# KiCad board vancouver-skytrain-pcb.kicad_pcb
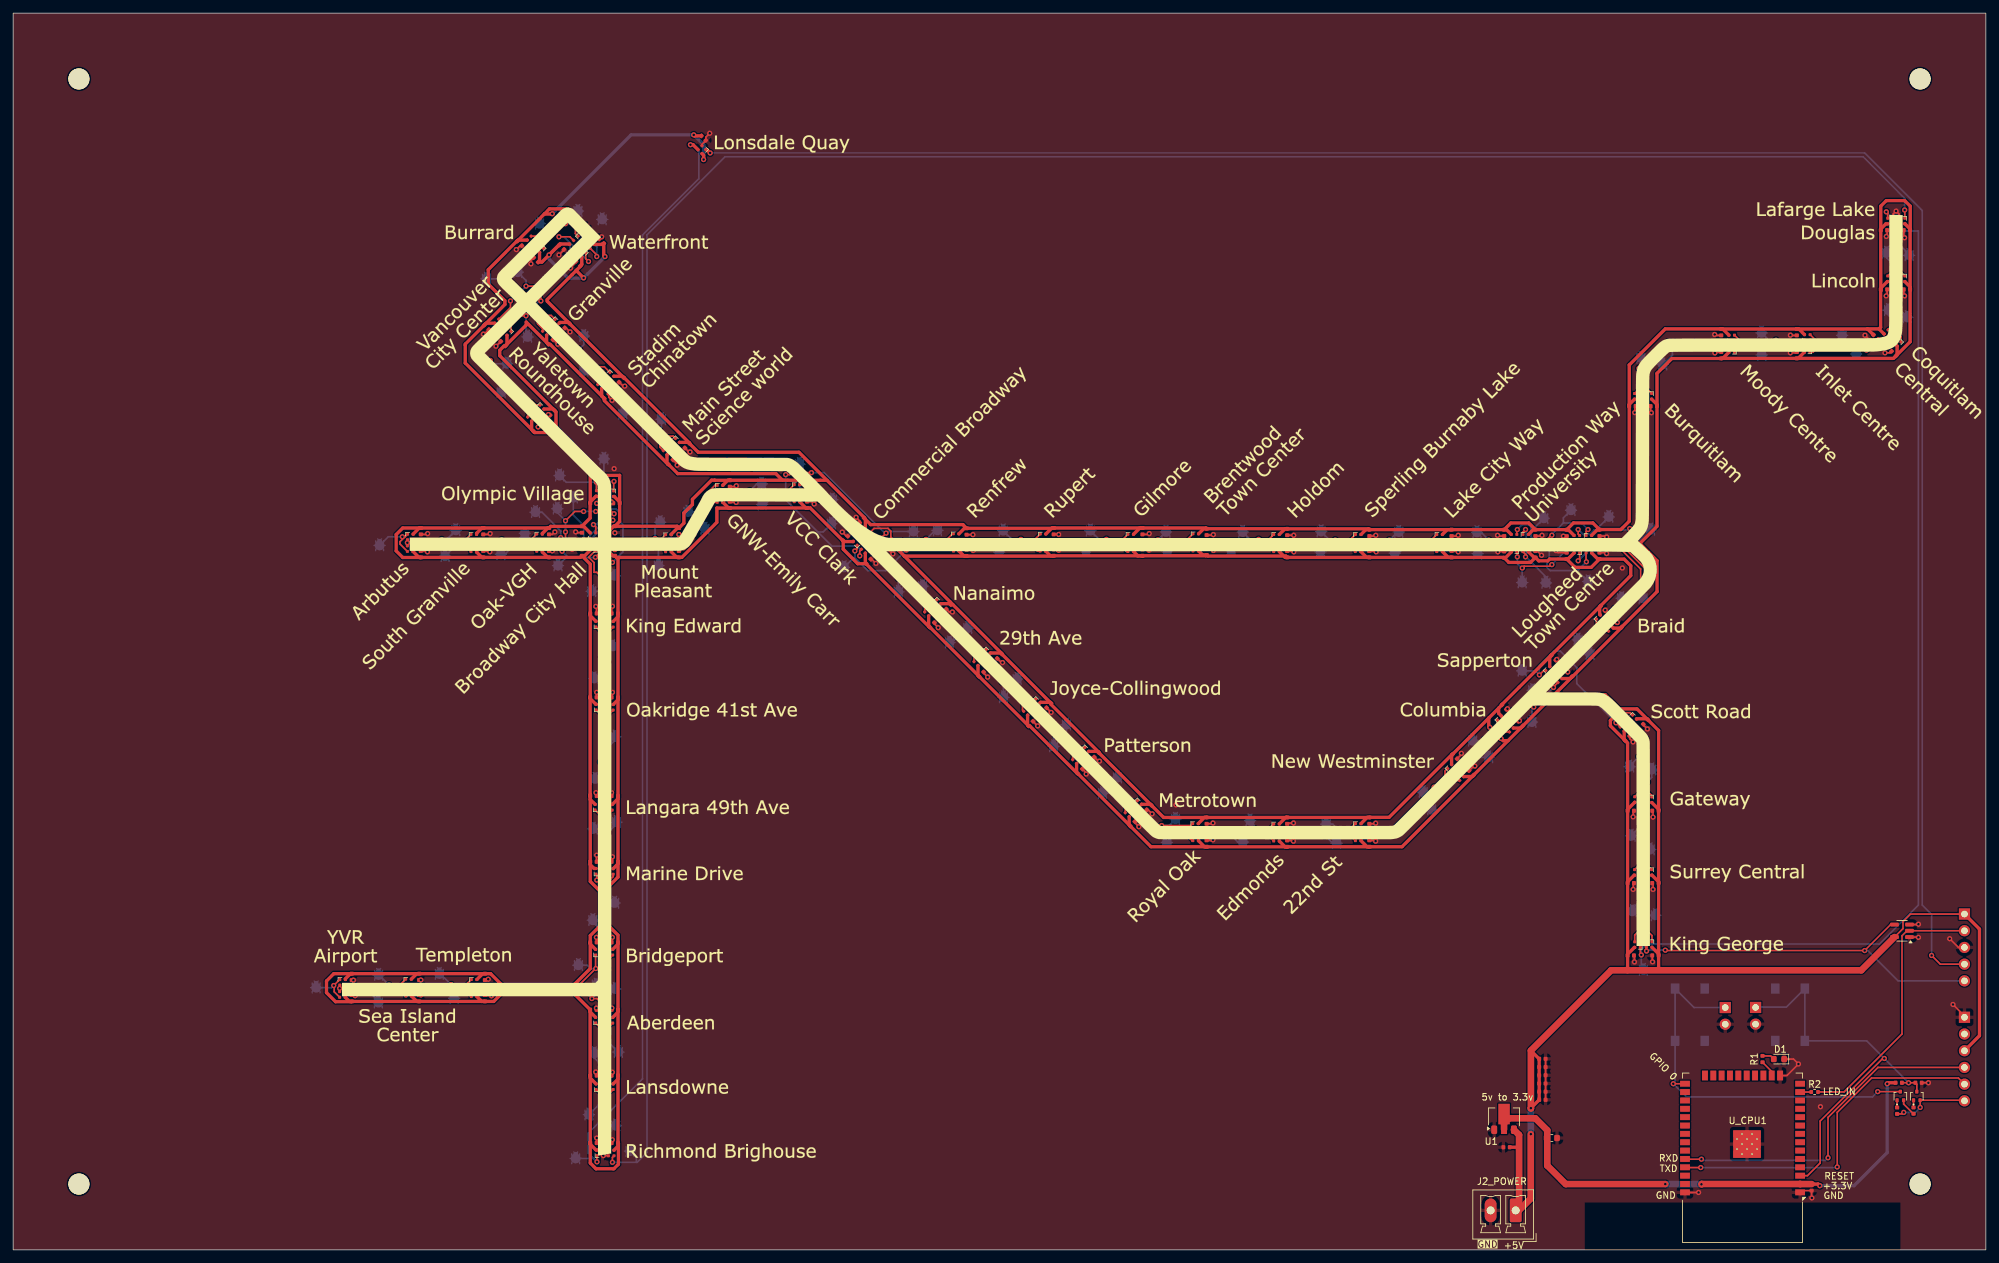
[diagram p0: board, top side]
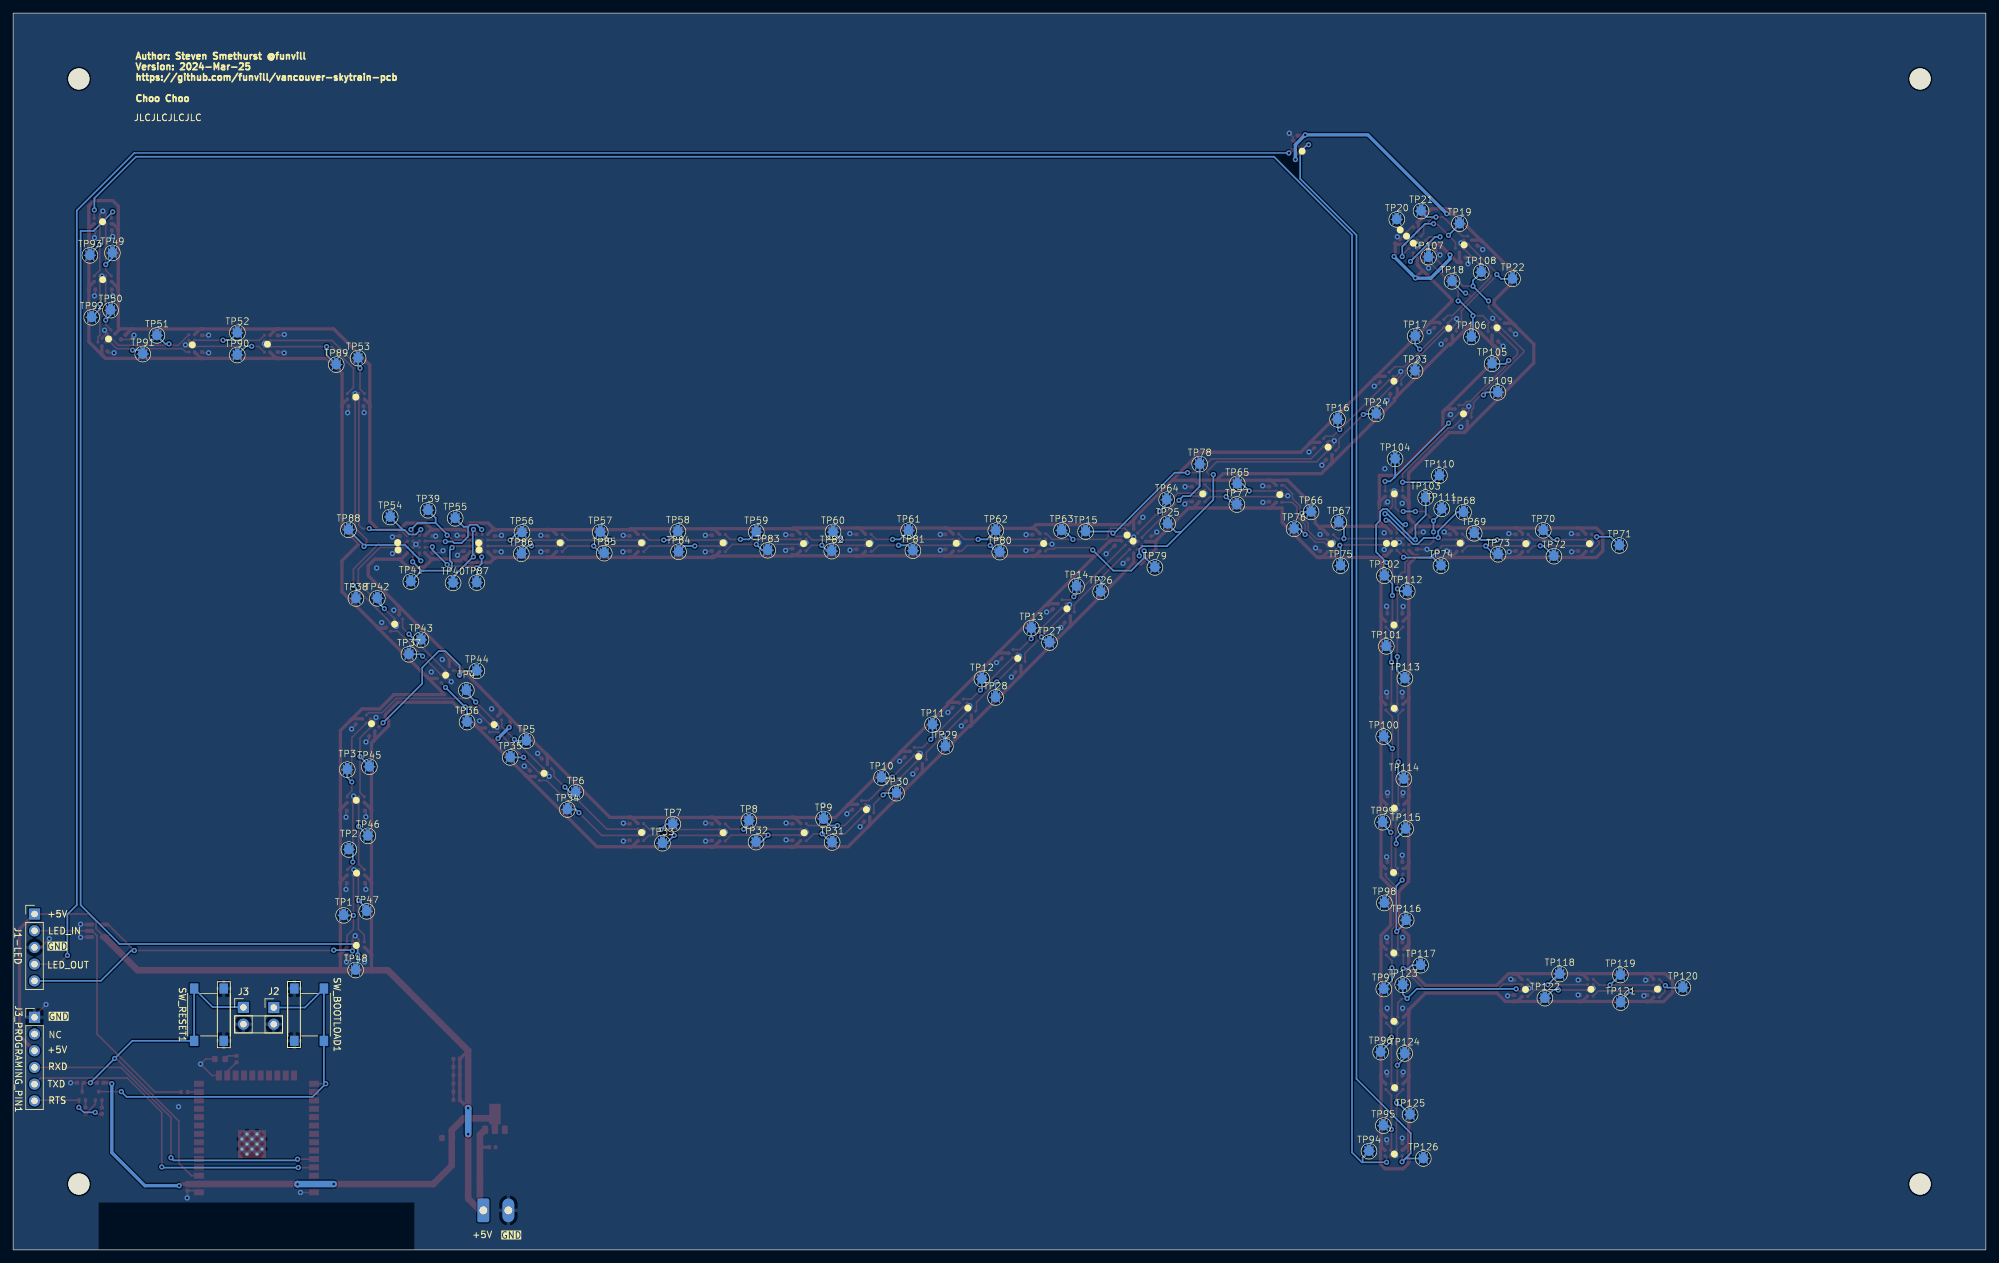
[diagram p1: board, bottom side, seen from below]

Outline 300 x 188 mm; copper layers: Top, Bottom. Coordinates in mm from the lower left corner of the outline.
Outline path: rectangle 0,188 300,0
Stack: Top 0.035mm / dielectric 1.51mm FR4 er 4.5 / Bottom 0.035mm

## Placement (name value [footprint] x y rotation side)
C1  1uF,25V,X5R  [C_0402_1005Metric]  227.12 15.6 180 top
C2  1uF,25V,X5R  [C_0402_1005Metric]  273.5 9.49 270 top
C3  10uF,10V,X5R  [C_0603_1608Metric]  234 17 0 top
C4  1uF,25V,X5R  [C_0402_1005Metric]  289.76 25.4 0 top
C5  1uF,25V,X5R  [C_0402_1005Metric]  105 169 315 top
C6  1uF,25V,X5R  [C_0402_1005Metric]  245.5 77.75 45 top
C7  1uF,25V,X5R  [C_0402_1005Metric]  226.75 82.5 315 top
C8  1uF,25V,X5R  [C_0402_1005Metric]  229.25 80 135 top
C9  1uF,25V,X5R  [C_0402_1005Metric]  221.75 72.5 135 top
C10  1uF,25V,X5R  [C_0402_1005Metric]  206.25 61.76 90 top
C11  1uF,25V,X5R  [C_0402_1005Metric]  193.75 65.25 270 top
C12  1uF,25V,X5R  [C_0402_1005Metric]  181.5 65.25 270 top
C13  1uF,25V,X5R  [C_0402_1005Metric]  172.75 67.25 225 top
C14  1uF,25V,X5R  [C_0402_1005Metric]  162.25 72.75 45 top
C15  1uF,25V,X5R  [C_0402_1005Metric]  147.25 87.5 45 top
C16  1uF,25V,X5R  [C_0402_1005Metric]  139.75 95 45 top
C17  1uF,25V,X5R  [C_0402_1005Metric]  142.25 97.75 225 top
C18  1uF,25V,X5R  [C_0402_1005Metric]  130.07 104.65 45 top
C19  1uF,25V,X5R  [C_0402_1005Metric]  126.57 108.15 45 top
C20  1uF,25V,X5R  [C_0402_1005Metric]  129.07 110.9 225 top
C21  1uF,25V,X5R  [C_0402_1005Metric]  132.82 107.4 225 top
C22  1uF,25V,X5R  [C_0402_1005Metric]  109 113.25 90 top
C23  1uF,25V,X5R  [C_0402_1005Metric]  102.5 122.25 225 top
C24  1uF,25V,X5R  [C_0402_1005Metric]  92.5 132.25 225 top
C25  1uF,25V,X5R  [C_0402_1005Metric]  84.25 140.5 225 top
C26  1uF,25V,X5R  [C_0402_1005Metric]  77 153 315 top
C27  1uF,25V,X5R  [C_0402_1005Metric]  83.43 152.43 315 top
C28  1uF,25V,X5R  [C_0402_1005Metric]  85.93 149.93 135 top
C29  1uF,25V,X5R  [C_0402_1005Metric]  89.48 153.33 135 top
C30  1uF,25V,X5R  [C_0402_1005Metric]  232.56 22.81 0 top
C31  1uF,25V,X5R  [C_0402_1005Metric]  86.75 155.83 315 top
C32  1uF,25V,X5R  [C_0402_1005Metric]  236.75 87.5 135 top
C33  1uF,25V,X5R  [C_0402_1005Metric]  234.25 90 315 top
C34  1uF,25V,X5R  [C_0402_1005Metric]  74.5 137.75 135 top
C35  1uF,25V,X5R  [C_0402_1005Metric]  91.75 113.5 180 top
C36  1uF,25V,X5R  [C_0402_1005Metric]  88.25 113.5 0 top
C37  1uF,25V,X5R  [C_0402_1005Metric]  79.5 124.75 45 top
C38  1uF,25V,X5R  [C_0402_1005Metric]  82 127.25 225 top
C39  1uF,25V,X5R  [C_0402_1005Metric]  72 140.25 315 top
C40  1uF,25V,X5R  [C_0402_1005Metric]  62 105.75 90 top
C41  1uF,25V,X5R  [C_0402_1005Metric]  62 109.25 270 top
C42  1uF,25V,X5R  [C_0402_1005Metric]  71.5 109.25 270 top
C43  1uF,25V,X5R  [C_0402_1005Metric]  71.5 105.75 90 top
C44  1uF,25V,X5R  [C_0402_1005Metric]  81.5 109.25 270 top
C45  1uF,25V,X5R  [C_0402_1005Metric]  81.5 105.75 90 top
C46  1uF,25V,X5R  [C_0402_1005Metric]  249.75 66.75 180 top
C47  1uF,25V,X5R  [C_0402_1005Metric]  246 66.75 0 top
C48  1uF,25V,X5R  [C_0402_1005Metric]  248.25 80.25 225 top
C49  1uF,25V,X5R  [C_0402_1005Metric]  219.25 75 315 top
C50  1uF,25V,X5R  [C_0402_1005Metric]  145 109.2 270 top
C51  1uF,25V,X5R  [C_0402_1005Metric]  145 105.95 90 top
C52  1uF,25V,X5R  [C_0402_1005Metric]  150 90.25 225 top
C53  1uF,25V,X5R  [C_0402_1005Metric]  154.75 80 45 top
C54  1uF,25V,X5R  [C_0402_1005Metric]  157.5 82.75 225 top
C55  1uF,25V,X5R  [C_0402_1005Metric]  232.56 25.29 0 top
C56  1uF,25V,X5R  [C_0402_1005Metric]  164.75 75.25 225 top
C57  1uF,25V,X5R  [C_0402_1005Metric]  170.25 64.75 45 top
C58  1uF,25V,X5R  [C_0402_1005Metric]  181.5 61.76 90 top
C59  1uF,25V,X5R  [C_0402_1005Metric]  193.75 61.75 90 top
C60  1uF,25V,X5R  [C_0402_1005Metric]  206.25 65.25 270 top
C61  1uF,25V,X5R  [C_0402_1005Metric]  86.5 109.5 270 top
C62  1uF,25V,X5R  [C_0402_1005Metric]  91.5 106 90 top
C63  1uF,25V,X5R  [C_0402_1005Metric]  91.5 109.52 270 top
C64  1uF,25V,X5R  [C_0402_1005Metric]  101.25 105.75 90 top
C65  1uF,25V,X5R  [C_0402_1005Metric]  101.25 109.25 270 top
C66  1uF,25V,X5R  [C_0402_1005Metric]  79.5 150.5 135 top
C67  1uF,25V,X5R  [C_0402_1005Metric]  81.75 138 45 top
C68  1uF,25V,X5R  [C_0402_1005Metric]  90.25 129.75 45 top
C69  1uF,25V,X5R  [C_0402_1005Metric]  100 119.75 45 top
C70  1uF,25V,X5R  [C_0402_1005Metric]  109 116.5 270 top
C71  1uF,25V,X5R  [C_0402_1005Metric]  120.75 116.5 270 top
C72  1uF,25V,X5R  [C_0402_1005Metric]  120.75 113.27 90 top
C73  1uF,25V,X5R  [C_0402_1005Metric]  158.25 109.25 270 top
C74  1uF,25V,X5R  [C_0402_1005Metric]  158.25 106 90 top
C75  1uF,25V,X5R  [C_0402_1005Metric]  86.5 106 90 top
C76  1uF,25V,X5R  [C_0402_1005Metric]  88.25 96.75 0 top
C77  1uF,25V,X5R  [C_0402_1005Metric]  91.5 96.75 180 top
C78  1uF,25V,X5R  [C_0402_1005Metric]  88.23 84 0 top
C79  1uF,25V,X5R  [C_0402_1005Metric]  232.56 29.04 0 top
C80  1uF,25V,X5R  [C_0402_1005Metric]  91.5 84 180 top
C81  1uF,25V,X5R  [C_0402_1005Metric]  88.25 69 0 top
C82  1uF,25V,X5R  [C_0402_1005Metric]  91.5 69 180 top
C83  1uF,25V,X5R  [C_0402_1005Metric]  91.5 59 180 top
C84  1uF,25V,X5R  [C_0402_1005Metric]  88.25 59 0 top
C85  1uF,25V,X5R  [C_0402_1005Metric]  88.25 46.75 0 top
C86  1uF,25V,X5R  [C_0402_1005Metric]  91.5 46.75 180 top
C87  1uF,25V,X5R  [C_0402_1005Metric]  88.23 36.5 0 top
C88  1uF,25V,X5R  [C_0402_1005Metric]  91.5 36.5 180 top
C89  1uF,25V,X5R  [C_0402_1005Metric]  91.5 26.5 180 top
C90  1uF,25V,X5R  [C_0402_1005Metric]  88.25 26.5 0 top
C91  1uF,25V,X5R  [C_0402_1005Metric]  88.25 16.25 0 top
C92  1uF,25V,X5R  [C_0402_1005Metric]  91.5 16.25 180 top
C93  1uF,25V,X5R  [C_0402_1005Metric]  71.75 38.25 90 top
C94  1uF,25V,X5R  [C_0402_1005Metric]  71.75 41.5 270 top
C95  1uF,25V,X5R  [C_0402_1005Metric]  61.75 38.25 90 top
C96  1uF,25V,X5R  [C_0402_1005Metric]  61.75 41.5 270 top
C97  1uF,25V,X5R  [C_0402_1005Metric]  51.5 38.25 90 top
C98  1uF,25V,X5R  [C_0402_1005Metric]  51.5 41.5 270 top
C99  1uF,25V,X5R  [C_0402_1005Metric]  193.75 105.75 90 top
C100  1uF,25V,X5R  [C_0402_1005Metric]  181.5 109.14 270 top
C101  1uF,25V,X5R  [C_0402_1005Metric]  181.5 106.12 90 top
C102  1uF,25V,X5R  [C_0402_1005Metric]  171.75 109.25 270 top
C103  1uF,25V,X5R  [C_0402_1005Metric]  232.56 27.79 0 top
C104  1uF,25V,X5R  [C_0402_1005Metric]  171.75 106 90 top
C105  1uF,25V,X5R  [C_0402_1005Metric]  259.75 139.5 270 top
C106  1uF,25V,X5R  [C_0402_1005Metric]  241.25 105.5 90 top
C107  1uF,25V,X5R  [C_0402_1005Metric]  236.25 105.5 90 top
C108  1uF,25V,X5R  [C_0402_1005Metric]  236.25 108.98 270 top
C109  1uF,25V,X5R  [C_0402_1005Metric]  241.25 109 270 top
C110  1uF,25V,X5R  [C_0402_1005Metric]  231.5 105.73 90 top
C111  1uF,25V,X5R  [C_0402_1005Metric]  231.5 109 270 top
C112  1uF,25V,X5R  [C_0402_1005Metric]  226.75 109 270 top
C113  1uF,25V,X5R  [C_0402_1005Metric]  226.75 105.69 90 top
C114  1uF,25V,X5R  [C_0402_1005Metric]  218.75 109 270 top
C115  1uF,25V,X5R  [C_0402_1005Metric]  218.75 105.75 90 top
C116  1uF,25V,X5R  [C_0402_1005Metric]  206.25 109 270 top
C117  1uF,25V,X5R  [C_0402_1005Metric]  206.25 105.75 90 top
C118  1uF,25V,X5R  [C_0402_1005Metric]  193.75 109.12 270 top
C119  1uF,25V,X5R  [C_0402_1005Metric]  249.5 128.25 180 top
C120  1uF,25V,X5R  [C_0402_1005Metric]  232.56 26.54 0 top
C121  1uF,25V,X5R  [C_0402_1005Metric]  246.25 128.25 0 top
C122  1uF,25V,X5R  [C_0402_1005Metric]  244.25 95 135 top
C123  1uF,25V,X5R  [C_0402_1005Metric]  232.56 24.04 0 top
C124  1uF,25V,X5R  [C_0402_1005Metric]  259.75 136 90 top
C125  1uF,25V,X5R  [C_0402_1005Metric]  271.25 139.5 270 top
C126  1uF,25V,X5R  [C_0402_1005Metric]  271.25 136 90 top
C127  1uF,25V,X5R  [C_0402_1005Metric]  286 136.25 135 top
C128  1uF,25V,X5R  [C_0402_1005Metric]  283.25 138.75 315 top
C129  1uF,25V,X5R  [C_0402_1005Metric]  284.5 146 0 top
C130  1uF,25V,X5R  [C_0402_1005Metric]  288 146 180 top
C131  1uF,25V,X5R  [C_0402_1005Metric]  284.5 155 0 top
C132  1uF,25V,X5R  [C_0402_1005Metric]  288 155 180 top
C133  1uF,25V,X5R  [C_0402_1005Metric]  241.75 97.5 315 top
C134  1uF,25V,X5R  [C_0402_1005Metric]  246 55.75 0 top
C135  1uF,25V,X5R  [C_0402_1005Metric]  249.75 55.75 180 top
C136  1uF,25V,X5R  [C_0402_1005Metric]  246 44.75 0 top
C138  1uF,25V,X5R  [C_0402_1005Metric]  249.75 44.75 180 top
D1  STATUS_LED  [LED_0603_1608Metric]  268.54 29 180 top
G***  -  [LOGO]  149.92 87.95 0 top
G***#2  -  [LOGO]  149.92 87.95 0 top
G***#3  -  [LOGO]  149.92 87.95 0 top
H1  MountingHole  [MountingHole_3.2mm_M3]  10 178 0 top
H2  MountingHole  [MountingHole_3.2mm_M3]  290 178 0 top
H3  MountingHole  [MountingHole_3.2mm_M3]  290 10 0 top
H4  MountingHole  [MountingHole_3.2mm_M3]  10 10 0 top
J1-LED  Conn_01x04  [PinHeader_1x05_P2.54mm_Vertical]  296.75 51.05 180 bottom
J2  Conn_01x02  [PinHeader_1x02_P2.54mm_Vertical]  260.37 36.84 180 bottom
J2_POWER  Conn_01x02  [PhoenixContact_MCV_1,5_2-G-3.81_1x02_P3.81mm_Vertical]  228.5 6 180 top
J3  Conn_01x02  [PinHeader_1x02_P2.54mm_Vertical]  264.98 36.85 180 bottom
J3_PROGRAMING_PIN1  Conn_01x06  [PinHeader_1x06_P2.54mm_Vertical]  296.75 35.35 180 bottom
LED1  WS2812B  [XL-1010RGBC-WS2812B]  248.8 46.43 270 top
LED2  WS2812B  [XL-1010RGBC-WS2812B]  248.75 57.38 270 top
LED3  WS2812B  [XL-1010RGBC-WS2812B]  248.77 68.43 270 top
LED4  WS2812B  [XL-1010RGBC-WS2812B]  246.27 80.7 315 top
LED5  WS2812B  [XL-1010RGBC-WS2812B]  226.32 80.55 45 top
LED6  WS2812B  [XL-1010RGBC-WS2812B]  218.75 73.18 45 top
LED7  WS2812B  [XL-1010RGBC-WS2812B]  204.55 64.38 0 top
LED8  WS2812B  [XL-1010RGBC-WS2812B]  192.12 64.32 0 top
LED9  WS2812B  [XL-1010RGBC-WS2812B]  179.8 64.38 0 top
LED10  WS2812B  [XL-1010RGBC-WS2812B]  170.98 67.7 315 top
LED11  WS2812B  [XL-1010RGBC-WS2812B]  162.97 75.78 315 top
LED12  WS2812B  [XL-1010RGBC-WS2812B]  155.53 83.13 315 top
LED13  WS2812B  [XL-1010RGBC-WS2812B]  147.95 90.65 315 top
LED14  WS2812B  [XL-1010RGBC-WS2812B]  140.48 98.22 315 top
LED15  WS2812B  [XL-1010RGBC-WS2812B]  130.85 107.75 315 top
LED16  WS2812B  [XL-1010RGBC-WS2812B]  100.72 122.75 315 top
LED17  WS2812B  [XL-1010RGBC-WS2812B]  90.75 132.8 315 top
LED18  WS2812B  [XL-1010RGBC-WS2812B]  82.42 140.85 315 top
LED19  WS2812B  [XL-1010RGBC-WS2812B]  80.05 152.25 225 top
LED20  WS2812B  [XL-1010RGBC-WS2812B]  87.75 152.85 315 top
LED21  WS2812B  [XL-1010RGBC-WS2812B]  86.5 154.1 45 top
LED22  WS2812B  [XL-1010RGBC-WS2812B]  78.77 153.5 135 top
LED23  WS2812B  [XL-1010RGBC-WS2812B]  81.12 139.65 225 top
LED24  WS2812B  [XL-1010RGBC-WS2812B]  89.5 131.55 225 top
LED25  WS2812B  [XL-1010RGBC-WS2812B]  99.47 121.5 225 top
LED26  WS2812B  [XL-1010RGBC-WS2812B]  129.6 106.5 225 top
LED27  WS2812B  [XL-1010RGBC-WS2812B]  139.22 96.97 225 top
LED28  WS2812B  [XL-1010RGBC-WS2812B]  146.72 89.42 225 top
LED29  WS2812B  [XL-1010RGBC-WS2812B]  154.28 81.88 225 top
LED30  WS2812B  [XL-1010RGBC-WS2812B]  161.72 74.53 225 top
LED31  WS2812B  [XL-1010RGBC-WS2812B]  169.73 66.45 225 top
LED32  WS2812B  [XL-1010RGBC-WS2812B]  179.82 62.62 270 top
LED33  WS2812B  [XL-1010RGBC-WS2812B]  192.12 62.57 270 top
LED34  WS2812B  [XL-1010RGBC-WS2812B]  204.55 62.62 270 top
LED35  WS2812B  [XL-1010RGBC-WS2812B]  219.98 71.95 315 top
LED36  WS2812B  [XL-1010RGBC-WS2812B]  227.55 79.33 315 top
LED37  WS2812B  [XL-1010RGBC-WS2812B]  234.93 86.85 315 top
LED38  WS2812B  [XL-1010RGBC-WS2812B]  242.62 94.65 315 top
LED39  WS2812B  [XL-1010RGBC-WS2812B]  239.62 108.17 0 top
LED40  WS2812B  [XL-1010RGBC-WS2812B]  230.03 108.33 0 top
LED41  WS2812B  [XL-1010RGBC-WS2812B]  230.03 106.56 270 top
LED42  WS2812B  [XL-1010RGBC-WS2812B]  239.62 106.38 270 top
LED43  WS2812B  [XL-1010RGBC-WS2812B]  241.37 95.9 45 top
LED44  WS2812B  [XL-1010RGBC-WS2812B]  233.67 88.08 45 top
LED45  WS2812B  [XL-1010RGBC-WS2812B]  245 79.48 225 top
LED46  WS2812B  [XL-1010RGBC-WS2812B]  247.02 68.45 180 top
LED47  WS2812B  [XL-1010RGBC-WS2812B]  247 57.38 180 top
LED48  WS2812B  [XL-1010RGBC-WS2812B]  247.02 46.4 180 top
LED49  WS2812B  [XL-1010RGBC-WS2812B]  285.5 156.4 180 top
LED50  WS2812B  [XL-1010RGBC-WS2812B]  285.5 147.62 180 top
LED51  WS2812B  [XL-1010RGBC-WS2812B]  285.12 139.25 135 top
LED52  WS2812B  [XL-1010RGBC-WS2812B]  272.85 138.7 90 top
LED53  WS2812B  [XL-1010RGBC-WS2812B]  261.35 138.62 90 top
LED54  WS2812B  [XL-1010RGBC-WS2812B]  247 129.75 180 top
LED55  WS2812B  [XL-1010RGBC-WS2812B]  237.8 108.17 90 top
LED56  WS2812B  [XL-1010RGBC-WS2812B]  228.25 108.33 90 top
LED57  WS2812B  [XL-1010RGBC-WS2812B]  216.93 108.33 0 top
LED58  WS2812B  [XL-1010RGBC-WS2812B]  204.55 108.33 0 top
LED59  WS2812B  [XL-1010RGBC-WS2812B]  192.12 108.33 0 top
LED60  WS2812B  [XL-1010RGBC-WS2812B]  179.85 108.42 0 top
LED61  WS2812B  [XL-1010RGBC-WS2812B]  169.95 108.35 0 top
LED62  WS2812B  [XL-1010RGBC-WS2812B]  156.62 108.4 0 top
LED63  WS2812B  [XL-1010RGBC-WS2812B]  143.4 108.42 0 top
LED64  WS2812B  [XL-1010RGBC-WS2812B]  129.6 108.95 45 top
LED65  WS2812B  [XL-1010RGBC-WS2812B]  119.2 115.9 0 top
LED66  WS2812B  [XL-1010RGBC-WS2812B]  107.5 115.8 0 top
LED67  WS2812B  [XL-1010RGBC-WS2812B]  99.65 108.3 0 top
LED68  WS2812B  [XL-1010RGBC-WS2812B]  90 108.55 0 top
LED69  WS2812B  [XL-1010RGBC-WS2812B]  80.05 108.4 0 top
LED70  WS2812B  [XL-1010RGBC-WS2812B]  70.05 108.35 0 top
LED71  WS2812B  [XL-1010RGBC-WS2812B]  60.4 108.38 0 top
LED72  WS2812B  [XL-1010RGBC-WS2812B]  60.38 106.6 270 top
LED73  WS2812B  [XL-1010RGBC-WS2812B]  70.05 106.58 270 top
LED74  WS2812B  [XL-1010RGBC-WS2812B]  80.05 106.62 270 top
LED75  WS2812B  [XL-1010RGBC-WS2812B]  89.97 106.75 270 top
LED76  WS2812B  [XL-1010RGBC-WS2812B]  99.65 106.55 270 top
LED77  WS2812B  [XL-1010RGBC-WS2812B]  107.5 114.08 270 top
LED78  WS2812B  [XL-1010RGBC-WS2812B]  119.2 114.15 270 top
LED79  WS2812B  [XL-1010RGBC-WS2812B]  128.35 107.7 135 top
LED80  WS2812B  [XL-1010RGBC-WS2812B]  143.43 106.65 270 top
LED81  WS2812B  [XL-1010RGBC-WS2812B]  156.6 106.65 270 top
LED82  WS2812B  [XL-1010RGBC-WS2812B]  169.95 106.6 270 top
LED83  WS2812B  [XL-1010RGBC-WS2812B]  179.85 106.67 270 top
LED84  WS2812B  [XL-1010RGBC-WS2812B]  192.12 106.58 270 top
LED85  WS2812B  [XL-1010RGBC-WS2812B]  204.53 106.58 270 top
LED86  WS2812B  [XL-1010RGBC-WS2812B]  216.93 106.58 270 top
LED87  WS2812B  [XL-1010RGBC-WS2812B]  228.25 106.56 180 top
LED88  WS2812B  [XL-1010RGBC-WS2812B]  237.8 106.38 180 top
LED89  WS2812B  [XL-1010RGBC-WS2812B]  248.75 129.75 270 top
LED90  WS2812B  [XL-1010RGBC-WS2812B]  261.35 136.88 180 top
LED91  WS2812B  [XL-1010RGBC-WS2812B]  272.82 136.93 180 top
LED92  WS2812B  [XL-1010RGBC-WS2812B]  286.5 138 225 top
LED93  WS2812B  [XL-1010RGBC-WS2812B]  287.25 147.62 270 top
LED94  WS2812B  [XL-1010RGBC-WS2812B]  287.25 156.4 270 top
LED95  WS2812B  [XL-1010RGBC-WS2812B]  90.95 14.72 0 top
LED96  WS2812B  [XL-1010RGBC-WS2812B]  90.83 24.8 0 top
LED97  WS2812B  [XL-1010RGBC-WS2812B]  90.75 34.9 0 top
LED98  WS2812B  [XL-1010RGBC-WS2812B]  90.75 45.25 0 top
LED99  WS2812B  [XL-1010RGBC-WS2812B]  90.83 57.53 0 top
LED100  WS2812B  [XL-1010RGBC-WS2812B]  90.67 67.28 0 top
LED101  WS2812B  [XL-1010RGBC-WS2812B]  90.83 82.47 0 top
LED102  WS2812B  [XL-1010RGBC-WS2812B]  90.83 95.1 0 top
LED103  WS2812B  [XL-1010RGBC-WS2812B]  88.17 108.58 90 top
LED104  WS2812B  [XL-1010RGBC-WS2812B]  90.9 114.95 270 top
LED105  WS2812B  [XL-1010RGBC-WS2812B]  80.12 127.83 315 top
LED106  WS2812B  [XL-1010RGBC-WS2812B]  75.1 139.62 225 top
LED107  WS2812B  [XL-1010RGBC-WS2812B]  86.47 151.58 225 top
LED108  WS2812B  [XL-1010RGBC-WS2812B]  85.23 152.85 135 top
LED109  WS2812B  [XL-1010RGBC-WS2812B]  73.85 140.88 135 top
LED110  WS2812B  [XL-1010RGBC-WS2812B]  78.85 126.6 225 top
LED111  WS2812B  [XL-1010RGBC-WS2812B]  89.12 114.97 180 top
LED112  WS2812B  [XL-1010RGBC-WS2812B]  88.15 106.75 180 top
LED113  WS2812B  [XL-1010RGBC-WS2812B]  89.05 95.12 90 top
LED114  WS2812B  [XL-1010RGBC-WS2812B]  89.08 82.5 90 top
LED115  WS2812B  [XL-1010RGBC-WS2812B]  88.92 67.3 90 top
LED116  WS2812B  [XL-1010RGBC-WS2812B]  89.05 57.55 90 top
LED117  WS2812B  [XL-1010RGBC-WS2812B]  89 45.25 90 top
LED118  WS2812B  [XL-1010RGBC-WS2812B]  70.1 40.68 0 top
LED119  WS2812B  [XL-1010RGBC-WS2812B]  60.12 40.72 0 top
LED120  WS2812B  [XL-1010RGBC-WS2812B]  50.1 40.68 0 top
LED121  WS2812B  [XL-1010RGBC-WS2812B]  50.08 38.82 270 top
LED122  WS2812B  [XL-1010RGBC-WS2812B]  60.15 39 270 top
LED123  WS2812B  [XL-1010RGBC-WS2812B]  70.1 38.93 270 top
LED124  WS2812B  [XL-1010RGBC-WS2812B]  89 34.93 90 top
LED125  WS2812B  [XL-1010RGBC-WS2812B]  89.08 24.8 90 top
LED126  WS2812B  [XL-1010RGBC-WS2812B]  89.2 14.75 90 top
LED127  WS2812B  [XL-1010RGBC-WS2812B]  104.75 167.25 225 top
Q1  PN2222A  [SOT-416]  287 23.4 90 top
Q2  PN2222A  [SOT-416]  289.5 23.4 90 top
R1  1k  [C_0402_1005Metric]  266.04 29 270 top
R2  0  [R_0402_1005Metric]  273.96 24 0 top
R3  10k  [C_0402_1005Metric]  286.5 21.15 90 top
R4  10k  [C_0402_1005Metric]  289 21.16 90 top
R5  10k  [C_0402_1005Metric]  286.75 25.4 180 top
SW_BOOTLOAD1  Switch_SW_Push  [SW_Push_1P1T_NO_6x6mm_H9.5mm]  254.99 35.75 270 bottom
SW_RESET1  Switch_SW_Push  [SW_Push_1P1T_NO_6x6mm_H9.5mm]  270.23 35.75 90 bottom
TP1  TestPoint  [SWS-Testpoint-Bug-1mm]  249.74 50.85 180 bottom
TP2  TestPoint  [SWS-Testpoint-Bug-1mm]  248.95 60.86 180 bottom
TP3  TestPoint  [SWS-Testpoint-Bug-1mm]  249.19 73.01 180 bottom
TP4  TestPoint  [SWS-Testpoint-Bug-1mm]  231.08 85.06 180 bottom
TP5  TestPoint  [SWS-Testpoint-Bug-1mm]  221.95 77.39 180 bottom
TP6  TestPoint  [SWS-Testpoint-Bug-1mm]  214.44 69.56 180 bottom
TP7  TestPoint  [SWS-Testpoint-Bug-1mm]  199.68 64.7 180 bottom
TP8  TestPoint  [SWS-Testpoint-Bug-1mm]  188.11 65.24 180 bottom
TP9  TestPoint  [SWS-Testpoint-Bug-1mm]  176.76 65.49 180 bottom
TP10  TestPoint  [SWS-Testpoint-Bug-1mm]  167.94 71.79 180 bottom
TP11  TestPoint  [SWS-Testpoint-Bug-1mm]  160.18 79.84 180 bottom
TP12  TestPoint  [SWS-Testpoint-Bug-1mm]  152.68 86.77 180 bottom
TP13  TestPoint  [SWS-Testpoint-Bug-1mm]  145.17 94.51 180 bottom
TP14  TestPoint  [SWS-Testpoint-Bug-1mm]  138.29 100.89 180 bottom
TP15  TestPoint  [SWS-Testpoint-Bug-1mm]  136.91 109.2 180 bottom
TP16  TestPoint  [SWS-Testpoint-Bug-1mm]  98.59 126.25 180 bottom
TP17  TestPoint  [SWS-Testpoint-Bug-1mm]  86.78 138.91 180 bottom
TP18  TestPoint  [SWS-Testpoint-Bug-1mm]  81.18 147.23 180 bottom
TP19  TestPoint  [SWS-Testpoint-Bug-1mm]  80.05 156 180 bottom
TP20  TestPoint  [SWS-Testpoint-Bug-1mm]  89.58 156.64 180 bottom
TP21  TestPoint  [SWS-Testpoint-Bug-1mm]  85.89 157.92 180 bottom
TP22  TestPoint  [SWS-Testpoint-Bug-1mm]  71.98 147.61 180 bottom
TP23  TestPoint  [SWS-Testpoint-Bug-1mm]  86.81 133.63 180 bottom
TP24  TestPoint  [SWS-Testpoint-Bug-1mm]  92.72 127.08 180 bottom
TP25  TestPoint  [SWS-Testpoint-Bug-1mm]  124.43 110.38 180 bottom
TP26  TestPoint  [SWS-Testpoint-Bug-1mm]  134.62 100.03 180 bottom
TP27  TestPoint  [SWS-Testpoint-Bug-1mm]  142.39 92.32 180 bottom
TP28  TestPoint  [SWS-Testpoint-Bug-1mm]  150.6 83.97 180 bottom
TP29  TestPoint  [SWS-Testpoint-Bug-1mm]  158.23 76.53 180 bottom
TP30  TestPoint  [SWS-Testpoint-Bug-1mm]  165.66 69.43 180 bottom
TP31  TestPoint  [SWS-Testpoint-Bug-1mm]  175.45 61.93 180 bottom
TP32  TestPoint  [SWS-Testpoint-Bug-1mm]  187.02 61.99 180 bottom
TP33  TestPoint  [SWS-Testpoint-Bug-1mm]  201.26 61.82 180 bottom
TP34  TestPoint  [SWS-Testpoint-Bug-1mm]  215.72 66.94 180 bottom
TP35  TestPoint  [SWS-Testpoint-Bug-1mm]  224.4 74.86 180 bottom
TP36  TestPoint  [SWS-Testpoint-Bug-1mm]  230.97 80.23 180 bottom
TP37  TestPoint  [SWS-Testpoint-Bug-1mm]  239.81 90.53 180 bottom
TP38  TestPoint  [SWS-Testpoint-Bug-1mm]  247.87 99.02 180 bottom
TP39  TestPoint  [SWS-Testpoint-Bug-1mm]  236.91 112.43 180 bottom
TP40  TestPoint  [SWS-Testpoint-Bug-1mm]  233.1 101.39 180 bottom
TP41  TestPoint  [SWS-Testpoint-Bug-1mm]  239.52 101.59 180 bottom
TP42  TestPoint  [SWS-Testpoint-Bug-1mm]  244.62 99.04 180 bottom
TP43  TestPoint  [SWS-Testpoint-Bug-1mm]  237.98 92.74 180 bottom
TP44  TestPoint  [SWS-Testpoint-Bug-1mm]  229.49 88.02 180 bottom
TP45  TestPoint  [SWS-Testpoint-Bug-1mm]  245.83 73.44 180 bottom
TP46  TestPoint  [SWS-Testpoint-Bug-1mm]  246.06 62.93 180 bottom
TP47  TestPoint  [SWS-Testpoint-Bug-1mm]  246.23 51.46 180 bottom
TP48  TestPoint  [SWS-Testpoint-Bug-1mm]  247.92 42.54 180 bottom
TP49  TestPoint  [SWS-Testpoint-Bug-1mm]  284.91 151.55 180 bottom
TP50  TestPoint  [SWS-Testpoint-Bug-1mm]  285.19 142.85 180 bottom
TP51  TestPoint  [SWS-Testpoint-Bug-1mm]  278.14 139.01 180 bottom
TP52  TestPoint  [SWS-Testpoint-Bug-1mm]  265.9 139.4 180 bottom
TP53  TestPoint  [SWS-Testpoint-Bug-1mm]  247.55 135.57 180 bottom
TP54  TestPoint  [SWS-Testpoint-Bug-1mm]  242.66 111.41 180 bottom